# Altium PCB PCB-1234.PcbDoc
Units mm, origin at the board's own origin, x right, y up, seen from the top; angles counter-clockwise.
Board outline 94.46 x 71.98 mm, 2 copper layers (Top Layer, Bottom Layer); 75 components, 59 nets, 250 pads, 0 vias.
Unrouted connection lines stored in the file: 143.
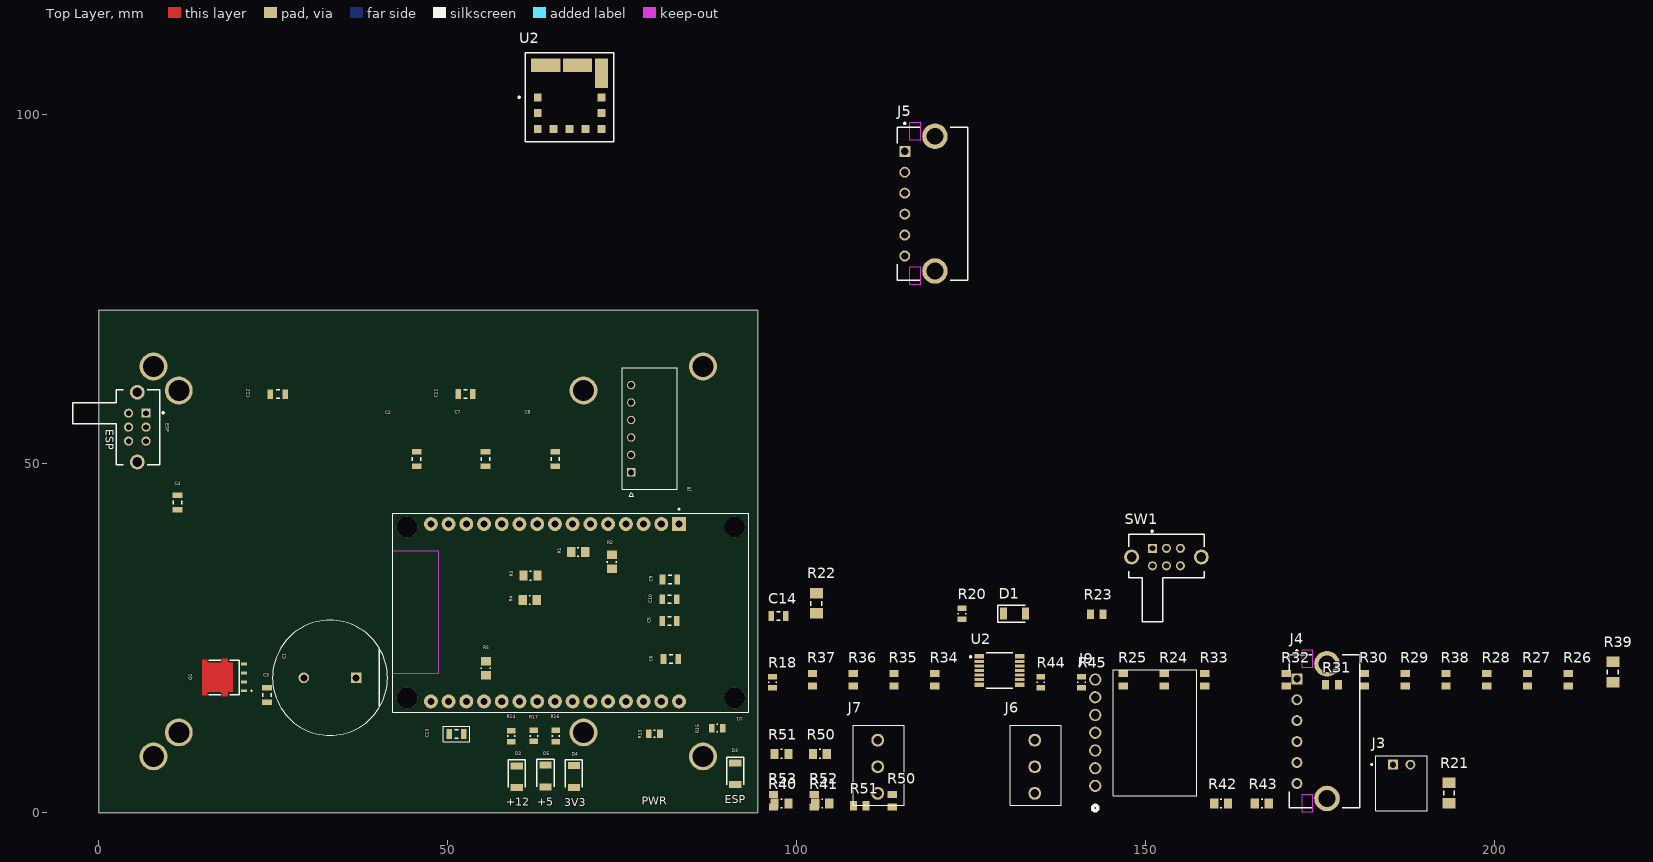
[diagram p0: Top Layer view]
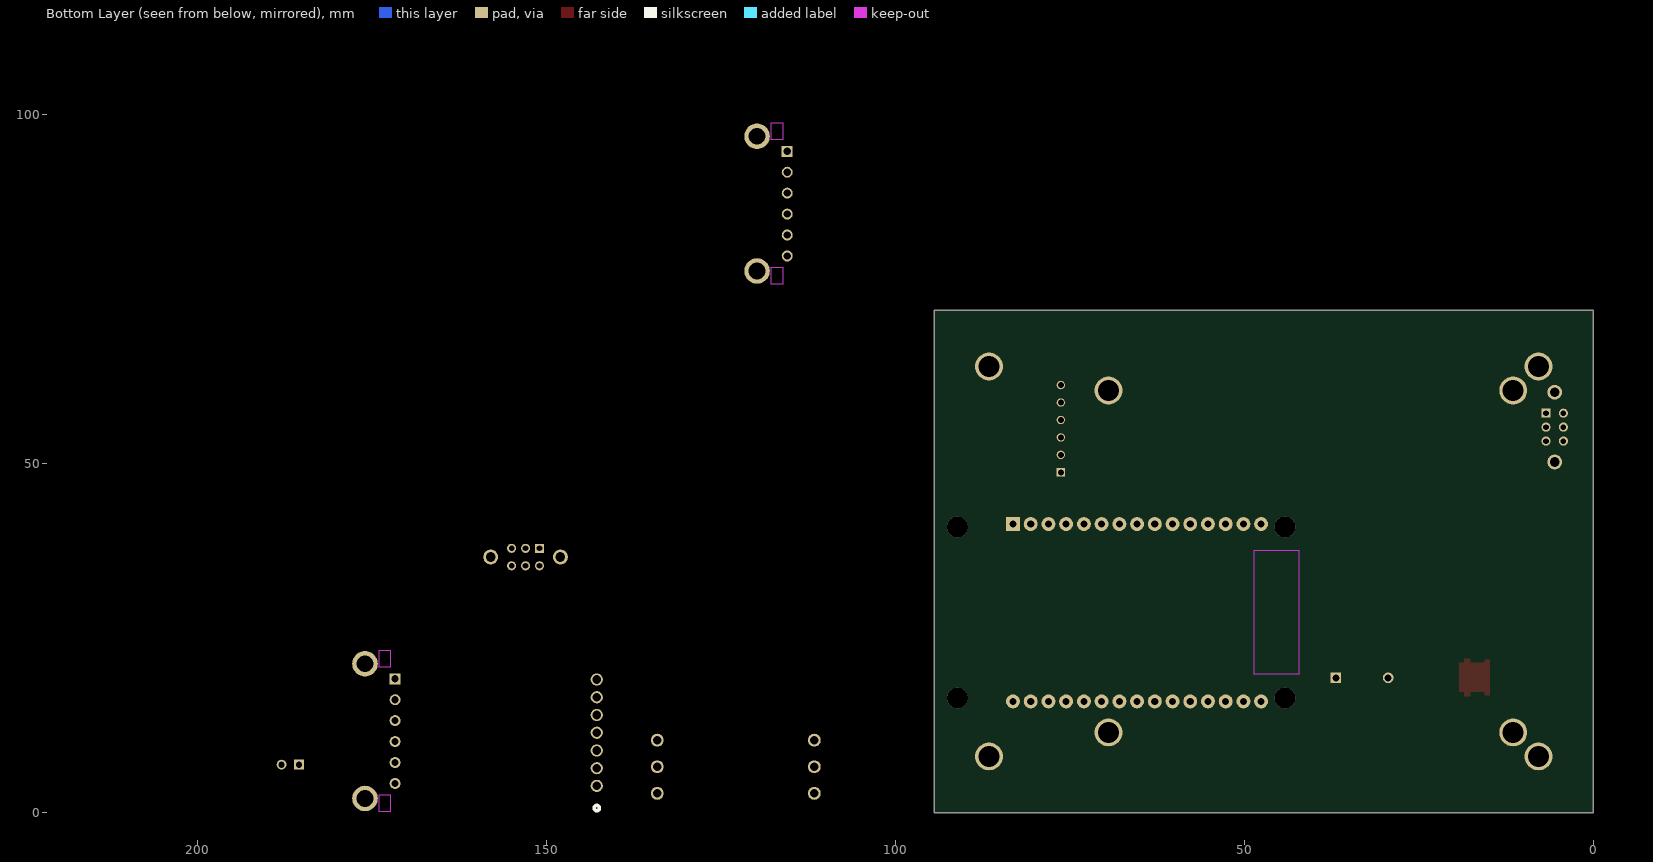
[diagram p1: Bottom Layer view, seen from below]

## Layer stack, top to bottom
Top Solder: solder mask 0.0102, Solder Resist, Dk 3.5
Top Layer: signal copper 0.0356
Dielectric 1: dielectric 0.32, FR-4, Dk 4.8
Bottom Layer: signal copper 0.0356
Bottom Solder: solder mask 0.0102, Solder Resist, Dk 3.5

## Board outline
0.004,0.004 94.459,0.004 94.459,71.98 0.004,71.98

## Design rules (kind name [scope] priority, off if disabled: settings)
Clearance [All] p1: gap=0.254 ignorepadtopadclearanceinfootprint=FALSE
PolygonConnect [All] p1: connectstyle=Relief reliefconductorwidth=0.254 reliefentries=4 polygonreliefangle="90 Angle" airgapwidth=0.254
RoutingVias [All] p1: holewidth=0.711 width=1.27 viastyle="Through Hole" minholewidth=0.711 minwidth=1.27 maxholewidth=0.711 maxwidth=1.27
SolderMaskExpansion [All] p1: expansion=0.102 istentingtop=FALSE
SupplyNets "Schematic Supply Nets_11" [InNet('BAT_POWER')] p1: voltage=0.000
SupplyNets "Schematic Supply Nets_10" [InNet('+5_ESP')] p2: voltage=0.000
SupplyNets "Schematic Supply Nets_9" [InNet('GND')] p3: voltage=0.000
SupplyNets "Schematic Supply Nets_8" [InNet('+5')] p4: voltage=0.000
SupplyNets "Schematic Supply Nets_7" [InNet('3V3')] p5: voltage=0.000
Width [All] p1: maxlimit=0.254 minlimit=0.254 preferedwidth=0.254
30 further rules are at their usual default settings.

## Classes and differential pairs
component class U_power: C9 C10 C13 C14 ESP Q1 R5 R17 R22 R38 R39 R50 R51 SW1 U2
component class U_Level_Shifter: C2 C4 R18 R34 R35 R36 R37 R50 R51 R52 R53 U2
component class main: R44 R45
component class U_microcontroller: C5 C6 R24 R26 R27 R28 R29 R30 R31 R32 R33 U1
component class U_Debug: D1 D2 D3 D4 D5 R13 R14 R15 R16 R20
component class U_headers: C1 C3 C7 C8 C11 C12 J3 J4 J5 J6 J7 J8 J9 R1 R2 R3 R4 R21 R40 R41 R42 R43

## Components (designator, comment, footprint, x,y, rotation, side; value= is the part's Value field where it differs from the comment)
C1 "2200uF 35V Radial" FP-RAD-TH-D_16_0_5-L_25_2-MFG 33.172,19.329 r180 top
C2 "0.1uF 50V 0805" CAPC2012X14N 45.593,50.673 r270 top value=100nF
C3 "1uF 50V 0805" CAPC2012X14N 24.155,16.866 r270 top value=1µF
C4 "0.1uF 50V 0805" CAPC2012X14N 11.303,44.45 r90 top value=100nF
C5 "0.1uF 50V 0805" CAPC2012X14N 81.813,27.457 r0 top value=100nF
C6 "0.1uF 50V 0805" CAPC2012X14N 82.017,22.022 r0 top value=100nF
C7 "0.1uF 50V 0805" CAPC2012X14N 55.474,50.673 r270 top value=100nF
C8 "0.1uF 50V 0805" CAPC2012X14N 65.456,50.673 r270 top value=100nF
C9 "0.1uF 50V 0805" CAPC2012X14N 81.864,33.426 r0 top value=100nF
C10 "0.1uF 50V 0805" CAPC2012X14N 81.839,30.582 r0 top value=100nF
C11 "0.1uF 50V 0805" CAPC2012X14N 52.578,59.995 r180 top value=100nF
C12 "0.1uF 50V 0805" CAPC2012X14N 25.685,59.969 r180 top value=100nF
C13 "10uF 25V 0805" CAPC2012X14N 51.289,11.278 r180 top value=10µF
C14 "47uF 10V 0805" CAPC2012X14N 97.46,28.169 r0 top value=47µF
D1 "KPTR-3216SGC" KPTR-3216SGC-Footprint-1 131.267,28.524 r0 top
D2 "KPTR-3216SGC" KPTR-3216SGC-Footprint-1 59.944,5.156 r270 top
D3 "KPTR-3216SGC" KPTR-3216SGC-Footprint-1 91.237,5.563 r270 top
D4 "KPTR-3216SGC" KPTR-3216SGC-Footprint-1 68.123,5.182 r270 top
D5 "KPTR-3216SGC" KPTR-3216SGC-Footprint-1 64.059,5.258 r270 top
ESP "EG2208A" FP-EG2208A-MFG 2.557,55.245 r270 top
J3 "22-05-7025" MOLEX_22-05-7025 186.741,6.883 r0 top
J4 "43650-0604" FP-43650-0604-MFG 175.692,11.684 r90 top
J5 "43650-0604" FP-43650-0604-MFG 119.507,87.274 r90 top
J6 "CTB0308/3" CTB0308_3-Footprint-1 134.163,2.769 r90 top
J7 "CTB0308/3" CTB0308_3-Footprint-1 111.658,2.769 r90 top
J8 "22057065" MOLEX_22057065 76.327,48.772 r90 top
J9 "22124072" CONN_A-7395-07B_MOL 142.824,3.835 r90 top
Q1 "SIJA54DP-T1-GE3" SIJA54DP-T1-GE3-Footprint-2 17.958,19.38 r90 top
R1 "10k 125mW 1%" RESC2013X60X35ML10T20 68.732,37.363 r180 top
R2 "10k 125mW 1%" RESC2013X60X35ML10T20 73.558,35.941 r90 top
R3 "10k 125mW 1%" RESC2013X60X35ML10T20 61.9,33.96 r180 top
R4 "10k 125mW 1%" RESC2013X60X35ML10T20 61.798,30.48 r180 top
R5 "1.33k 125mW 0.1%" RESC2013X60X35ML10T20 55.499,20.701 r90 top
R13 "560R 125W 1%" RESC2013X60X35LL10T20 79.664,11.303 r180 top
R14 "1.78k 125mW 1%" RESC2013X60X35LL10T20 59.157,10.963 r90 top
R15 "560R 125W 1%" RESC2013X60X35LL10T20 88.671,12.116 r180 top
R16 "220R 125W 1%" RESC2013X60X35LL10T20 65.532,10.989 r270 top
R17 "10k 125mW 1%" RESC2013X60X35LL10T20 62.382,11.013 r90 top
R18 "10k 125mW 1%" RESC2013X60X35LL10T20 96.571,18.694 r90 top
R20 "1.78k 125mW 1%" RESC2013X60X35LL10T20 123.723,28.499 r90 top
R21 "1mR 1W 1% 1206" FP-CSRF1206-IPC_A 193.523,2.819 r90 top value=1m
R22 "1mR 1W 1% 1206" FP-CSRF1206-IPC_A 102.87,29.997 r90 top value=1m
R23 "0R" "Copy of RESC2013X60X35NL10T20" 143.027,28.448 r0 top value=0
R24 "0R" "Copy of RESC2013X60X35NL10T20" 152.705,19.05 r90 top value=0
R25 "0R" "Copy of RESC2013X60X35NL10T20" 146.863,19.05 r90 top value=0
R26 "0R" "Copy of RESC2013X60X35NL10T20" 210.591,19.05 r90 top value=0
R27 "0R" "Copy of RESC2013X60X35NL10T20" 204.775,19.05 r90 top value=0
R28 "0R" "Copy of RESC2013X60X35NL10T20" 198.933,19.05 r90 top value=0
R29 "0R" "Copy of RESC2013X60X35NL10T20" 187.249,19.05 r90 top value=0
R30 "0R" "Copy of RESC2013X60X35NL10T20" 181.407,19.05 r90 top value=0
R31 "0R" "Copy of RESC2013X60X35NL10T20" 176.759,18.339 r0 top value=0
R32 "0R" "Copy of RESC2013X60X35NL10T20" 170.205,19.05 r90 top value=0
R33 "0R" "Copy of RESC2013X60X35NL10T20" 158.521,19.05 r90 top value=0
R34 "0R" "Copy of RESC2013X60X35NL10T20" 119.837,19.05 r90 top value=0
R35 "0R" "Copy of RESC2013X60X35NL10T20" 113.995,19.05 r90 top value=0
R36 "0R" "Copy of RESC2013X60X35NL10T20" 108.153,19.05 r90 top value=0
R37 "0R" "Copy of RESC2013X60X35NL10T20" 102.311,19.05 r90 top value=0
R38 "0R" "Copy of RESC2013X60X35NL10T20" 193.091,19.05 r90 top value=0
R39 "1mR 1W 1% 1206" FP-CSRF1206-IPC_A 216.992,20.168 r90 top value=1m
R40 "10k 125mW 1%" RESC2013X60X35ML10T20 97.866,1.295 r0 top
R41 "10k 125mW 1%" RESC2013X60X35ML10T20 103.708,1.295 r0 top
R42 "10k 125mW 1%" RESC2013X60X35ML10T20 160.858,1.295 r0 top
R43 "10k 125mW 1%" RESC2013X60X35ML10T20 166.7,1.295 r0 top
R44 "3k3 125mW 1%" RESC2013X60X35LL10T20 135.026,18.694 r90 top
R45 "3k3 125mW 1%" RESC2013X60X35LL10T20 140.868,18.694 r90 top
R50 "0R" "Copy of RESC2013X60X35NL10T20" 113.741,1.702 r90 top value=0
R50 "100k 125mW 0.1%" RESC2013X60X35ML10T20 103.378,8.433 r0 top
R51 "0R" "Copy of RESC2013X60X35NL10T20" 109.093,0.991 r0 top value=0
R51 "100k 125mW 0.1%" RESC2013X60X35ML10T20 97.866,8.433 r0 top
R52 "0R" "Copy of RESC2013X60X35NL10T20" 102.565,1.702 r90 top value=0
R53 "0R" "Copy of RESC2013X60X35NL10T20" 96.723,1.702 r90 top value=0
SW1 "EG2208A" FP-EG2208A-MFG 153.035,33.63 r0 top
U1 "ESP32-DEVKIT-V1" MODULE_ESP32_DEVKIT_V1 67.67,28.651 r270 top
U2 "NTS0304EPWJ" FP-SOT402-1-MFG 129.108,20.371 r0 top
U2 "OKL-T/6-W12N-C" FP-OKL-T-6-W12-MFG 67.513,102.514 r0 top

## Footprints (in the part's own frame and the unit in brackets; to place one, negate y for a bottom-side part, rotate by r counter-clockwise, add the part's x,y. Pads: shape width x height; smd on the part's side, far side on the other; paste and mask are expansions set on the pad)
CAPC2012X14N [mm] "Chip Capacitor, 2-Leads, Body 2.00x1.25mm, IPC Medium Density"
  rect 0.8x1.4 smd: 1(-1.05,0) 2(1.05,0)
  silkscreen extent -0.25,-0.6 0.25,0.6, body extent -1.05,-0.67 1.05,0.67, height 1.35
CONN_A-7395-07B_MOL [mil]
  round 69 hole 49: 1(0,0) 2(100,0) 3(200,0) 4(300,0) 5(400,0) 6(500,0) 7(600,0)
  silkscreen extent -140,-573 655,15
"Copy of RESC2013X60X35NL10T20" [mm] "Chip Resistor, 2-Leads, Body 2.1x1.35mm, IPC Medium Density"
  rect 1x1.35 smd: 1(-0.9,0) 2(0.9,0)
  body extent -1.05,-0.68 1.05,0.67, height 0.6
CTB0308_3-Footprint-1 [mm]
  round 1.845 hole 1.23: 1(0,0) 2(3.81,0) 3(7.62,0)
  silkscreen extent -1.71,-3.8 9.72,3.5, body extent -1.71,-3.8 9.72,3.5, height 9.2
FP-43650-0604-MFG [mm]
  rect 1.57x1.57 hole 1.02 paste-2539.97 mask+0: 1(7.5,3.97)
  round 1.57 hole 1.02 paste-2539.97 mask+0: 2(4.5,3.97) 3(1.5,3.97) 4(-1.5,3.97) 5(-4.5,3.97) 6(-7.5,3.97)
  round 3.66 hole 2.41 paste-2539.97 mask+0: 7(-9.65,-0.35) 8(9.65,-0.35)
  Keep-Out Layer region: 9.12,1.7 11.57,1.7 11.57,3.3 9.12,3.3
  Keep-Out Layer region: -11.57,1.7 -9.12,1.7 -9.12,3.3 -11.57,3.3
  silkscreen extent -10.94,-5.07 11.62,5.07, body extent -11.58,-5.18 11.58,5.18, height 0.25
FP-CSRF1206-IPC_A [mm]
  rect 1.505x1.856 smd paste+0 mask+0: 1(-1.451,0) 2(1.451,0)
  silkscreen extent -0.32,-0.77 0.32,0.77, body extent -2.7,-1.43 2.7,1.43, height 0.25
FP-EG2208A-MFG [mm]
  rect 1.3x1.3 hole 0.8 paste-2539.97 mask+0: 1(-2,4.25)
  round 1.3 hole 0.8 paste-2539.97 mask+0: 2(0,4.25) 3(2,4.25) 4(-2,1.75) 5(0,1.75) 6(2,1.75)
  round 2.13 hole 1.38 paste-2539.97 mask+0: 7(-5,3) 8(5,3)
  silkscreen extent -5.39,-6.25 5.39,6.83, body extent -6.16,-6.35 6.16,6.35, height 0.25
FP-OKL-T-6-W12-MFG [mil]
  rect 45x45 smd paste+0 mask+0: 1(-180,0) 5(180,0) 6(180,-180) 7(0,-180) 8(-90,-180) 9(-180,-180) 10(-180,-90) 11(180,-90) 12(90,-180)
  rect 165x75 smd paste+0 mask+0: 2(-135,180) 3(45,180)
  rect 75x165 smd paste+0 mask+0: 4(180,135)
  silkscreen extent -290,-250 250,250, body extent -270,-270 270,270, height 10
FP-RAD-TH-D_16_0_5-L_25_2-MFG [mm]
  rect 1.55x1.55 hole 1 paste-2539.97 mask+0: 1(-3.75,0)
  round 1.55 hole 1 paste-2539.97 mask+0: 2(3.75,0)
  silkscreen extent -8.25,-8.25 8.25,8.25, body extent -8.35,-8.35 8.35,8.35, height 0.25
FP-SOT402-1-MFG [mm]
  rect 1.35x0.6 smd paste+0 mask+0: 1(-2.925,2.05) 7(-2.925,-2.05) 8(2.925,-2.05) 14(2.925,2.05)
  rect 1.35x0.4 smd paste+0 mask+0: 2(-2.925,1.3) 3(-2.925,0.65) 4(-2.925,0) 5(-2.925,-0.65) 6(-2.925,-1.3) 9(2.925,-1.3) 10(2.925,-0.65) 11(2.925,0) 12(2.925,0.65) 13(2.925,1.3)
  silkscreen extent -4.27,-2.55 1.87,2.55, body extent -3.72,-2.9 3.72,2.9, height 0.25
KPTR-3216SGC-Footprint-1 [mm]
  rect 1x1.75 smd: 1(-1.55,0) 2(1.55,0)
  silkscreen extent -2.4,-1.22 1.55,1.22, body extent -1.6,-0.8 1.6,0.8, height 1.06
MODULE_ESP32_DEVKIT_V1 [mm]
  rect 2x2 / inner round 2 / far side rect 2x2 hole 1.02: 1(-12.7,15.515)
  round 2 hole 1.02: 2(-12.7,12.975) 3(-12.7,10.435) 4(-12.7,7.895) 5(-12.7,5.355) 6(-12.7,2.815) 7(-12.7,0.275) 8(-12.7,-2.265) 9(-12.7,-4.805) 10(-12.7,-7.345) 11(-12.7,-9.885) 12(-12.7,-12.425) 13(-12.7,-14.965) 14(-12.7,-17.505) 15(-12.7,-20.045) 16(12.7,-20.045) 17(12.7,-17.505) 18(12.7,-14.965) 19(12.7,-12.425) 20(12.7,-9.885) 21(12.7,-7.345) 22(12.7,-4.805) 23(12.7,-2.265) 24(12.7,0.275) 25(12.7,2.815) 26(12.7,5.355) 27(12.7,7.895) 28(12.7,10.435) 29(12.7,12.975) 30(12.7,15.515)
  round 3 hole 3 unplated: ""(-12.28,23.475) ""(-12.28,-23.475) ""(12.23,23.475) ""(12.23,-23.475)
  Keep-Out Layer region: 8.78,-25.475 -8.91,-25.475 -8.91,-18.985 8.78,-18.985
  Keep-Out Layer region: 8.78,-25.475 -8.91,-25.475 -8.91,-18.985 8.78,-18.985
  silkscreen extent -14.95,-25.48 14.23,25.48, body extent -14.1,-25.9 14.1,26.55, height 7.05
MOLEX_22-05-7025 [mm]
  rect 1.408x1.408 / inner round 1.408 / far side rect 1.408x1.408 hole 0.9: 1(-1.25,0)
  round 1.408 hole 0.9: 2(1.25,0)
  silkscreen extent -4.4,-6.6 3.7,1.3
MOLEX_22057065 [mm]
  rect 1.2x1.2 / inner round 1.2 / far side rect 1.2x1.2 hole 0.85 mask+0.076: 1(0,0)
  round 1.2 hole 0.85 mask+0.076: 2(2.5,0) 3(5,0) 4(7.5,0) 5(10,0) 6(12.5,0)
  silkscreen extent -3.4,-6.6 14.95,1.3
RESC2013X60X35LL10T20 [mm] "Chip Resistor, 2-Leads, Body 2.00x1.25mm, IPC High Density"
  rect 0.8x1.25 smd: 1(-0.8,0) 2(0.8,0)
  silkscreen extent -0.1,-0.53 0.1,0.53, body extent -1.05,-0.67 1.05,0.67, height 0.6
RESC2013X60X35ML10T20 [mm] "Chip Resistor, 2-Leads, Body 2.1x1.35mm, IPC Low Density"
  rect 1.2x1.45 smd: 1(-1,0) 2(1,0)
  silkscreen extent -0.1,-0.63 0.1,0.63, body extent -1.05,-0.68 1.05,0.67, height 0.6
SIJA54DP-T1-GE3-Footprint-2 [mm]
  rect 0.41x0.82 smd: 1(-1.905,-2.895) 2(-0.635,-2.895) 3(0.635,-2.895) 4(1.905,-2.895)
  round 0.025 smd: 5-6-7-8(-0.001,1.092)
  Top Layer region: -2.68,-0.535 -2.08,-0.535 -2.08,-1.25 2.077,-1.25 2.077,-0.535 2.675,-0.535 2.675,0.33 2.077,0.33 2.077,2.38 2.55,2.38 2.55,3.099 -2.55,3.099 -2.55,2.385 -2.08,2.385 -2.08,0.33 -2.68,0.33
  silkscreen extent -2.45,-4 2.45,2.18, body extent -2.57,-3.08 2.57,3.08, height 1.27

## Part data
C1: library part CMP-05427-000859-1, "Aluminum Electrolytic Capacitors (Radial Lead Type) 2200uF ±20% 35V"
C2 C4 C5 C6 C7 C8 C9 C10 C11 C12: library part CMP-40-005-00117-1, "Cap, SMD, 0.1uF, 50V, 10%, 0805, X7R", CapacitorType=Ceramic, Manufacturer=Samsung, ManufacturerPartNumber=CL21B104KBCWPNC, Package=0805, Tolerance=10%, VoltageRating=50V, ComponentLinkDescription=Datasheet, ComponentLinkURL=https://octopart.com/part/samsung-electro-mechanics/CL21B104KBCWPNC, DielectricType=Ceramic, MountingType=SMD
C3: library part CMP-40-005-00008-4, "Cap, SMD, 1uF, 50V, 10%, 0805, X7R", CapacitorType=Ceramic, DielectricType=X7R, Manufacturer="Samsung Electro Mechanics", ManufacturerPartNumber=CL21B105KBFNNN, Package=0805, Tolerance=10%, VoltageRating=50V, ComponentLinkDescription=Datasheet, ComponentLinkURL=http://weblib.samsungsem.com/mlcc/mlcc-ec-data-sheet.do?partNumber=CL21B105KBFNNN, MountingType=SMD
C13: library part CMP-40-005-00031-7, "Cap, SMD, 10uF, 25V, 10%, 0805, X5R", CapacitorType=Ceramic, Case/Package=0805, Manufacturer=Murata, ManufacturerPartNumber=GRM21BR61E106, Maximum Operating Temperature=85°C, Minimum Operating Temperature=-55°C, Package Shape=Rectangular, Package Style=SMTMeter, Rated DC Voltage (URdc)=25V, Temperature Characteristics Code=X5R, Tolerance=10%, ComponentLinkDescription=Datasheet, ComponentLinkURL=https://datasheet.ciiva.com/pdfs/VipMasterIC/IC/MURE/MURE-S-A0008911298/MURE-S-A0008911412-1.pdf?src-supplier=IHS+Markit, DielectricType=Ceramic, Height=1.25mm, JESD-609 Code=e3, Length=2mm, Mounting Technology="Surface Mount", MountingType=SMD, Multilayer=Yes, Package=0805, Pins=2, Reach SVHC Compliant=Yes, RoHS Compliant=Yes, Terminal Finish=Nickel, Termination=Wraparound, Tolerance  (fill in as +-)=10%, Tolerance (fill in as +-)=10%, VoltageRating=25V, Width=1.25mm
C14: library part CMP-40-005-00019-4, "Cap, SMD, 47uF, 10V, 20%, 0805, X5R", CapacitorType=Ceramic, DielectricType=X5R, Manufacturer=Murata, ManufacturerPartNumber=GRM21BR61A476ME15L, Package=0805, Tolerance=20%, VoltageRating=10V, ComponentLinkDescription=Datasheet, ComponentLinkURL=https://www.murata.com/en-global/products/productdetail?partno=GRM21BR61A476ME15%23, MountingType=SMD
D1 D2 D3 D4 D5: library part CMP-40-060-00012-7, "Single Color LED, Super Bright Green, Water Clear, 1.6mm", Color=Green, Colour="Super Bright Green", Forward Current=25mA, Forward Voltage=2.5V, Manufacturer=Kingbright, Max Operating Temperature=85°C, Min Operating Temperature=-40°C, Package=1206, Reverse Voltage-Max=5V, Channels=1, Color@wavelength=Green, ComponentLinkDescription=Datasheet, ComponentLinkURL=https://datasheet.ciiva.com/pdfs/VipMasterIC/IC/KNGB/KNGBS03251/KNGBS03251-1.pdf?src-supplier=IHS+Markit, ForwardVoltage=2.5V, Lens Style="WATER CLEAR", Luminous Intensity-Min=120cd, Luminous Intensity-Nom=15mcd, ManufacturerPartNumber=KPTR-3216SGC, Maximum Operating Temperature=85°C, Minimum Operating Temperature=-40°C, Mounting Technology="Surface Mount", MountingType=SMD, Optoelectronic Device Type="SINGLE COLOR LED", Overall Height=1.05mm, Packaging="Tape and Reel", Pins=2, Reach SVHC Compliant=Yes, RoHS Compliant=Yes, Shape=Rectangular, Size=1.6mm, Terminal Pitch=3.6mm, Viewing Angle=120°
ESP SW1: library part CMP-17877-000003-1, "SWITCH SLIDE DPDT 200MA 30V", Contact Current Rating=200mA, Max Operating Temperature=70°C, Min Operating Temperature=-25°C, Operating Force=200gf, Package Quantity=800, Voltage Rating (AC)=30V, Actuator Length=6mm, Actuator Type=Standard, Contact Material="Copper Alloy", Contact Plating=Silver, Current Rating=200mA, Electrical Life=10000Cycles, Illumination Type=Non-Illuminated, Lead Free="Lead Free", Mount="Through Hole", Number of Positions=2, Orientation="Right Angle", Packaging=Bulk, REACH SVHC="No SVHC", RoHS Compliant=Yes, Series=EG, Switch Function=On-On, Switch Travel=2mm, Termination="PC Pin", Throw Configuration=DPDT, Voltage Rating (DC)=30V
J3: "Header 2.5mm SPOX, WTB, RA, F/lock, 2w", Package=None, Check_prices=https://www.snapeda.com/parts/22-05-7025/Molex/view-part/?ref=eda, MF=Molex, MP=22-05-7025, SnapEDA_Link=https://www.snapeda.com/parts/22-05-7025/Molex/view-part/?ref=snap
J4 J5: library part CMP-00257-00298091-1, "43650-0604 Conn Power HDR 6 POS 3mm Solder RA Thru-Hole 6 Terminal 1 Port Micro-Fit 3.0™ Frame", Color=Black, Current Rating=5A, Manufacturer Lifecycle Status=ACTIVE, Max Operating Temperature=105°C, Min Operating Temperature=-40°C, Voltage Rating=600V, Connector Type="Male Pin", Contact Gender=Male, Contact Material=Brass, Contact Plating=Gold, Country of Origin=US, Fastening Type=Ramp, Gender=Male, Glow Wire Compliant=Compliant, Halogen Free="Low Halogen", Height=4.37mm, Housing Color=Black, Housing Material=Plastic, Lead Free="Contains Lead", Length=21.6mm, Lifecycle Status=Production, Mount="Through Hole", NexarPartId=298091, Number of Circuits=6, Number of Contacts=6, Number of Pins=6, Number of Positions=6, Number of Rows=1, Orientation="Right Angle", Pitch=3mm, Plating=Tin, RoHS=Compliant, Schedule B=8536694040, Termination=Solder, Width=9.9mm
J6 J7: library part CMP-40-050-00115-1, "Barrier Strip Terminal Block, 3 position", Current Rating=10A, Manufacturer=CAMDENBOSS, Manufacturer Series=CTB0308, ManufacturerPartNumber=CTB0308_3, Maximum Operating Temperature=110°C, Minimum Operating Temperature=0°C, VoltageRating=130V, ComponentLinkDescription=Datasheet, ComponentLinkURL=https://datasheet.ciiva.com/pdfs/VipMasterIC/IC/CAME/CAMES00005/CAMES00005-1.pdf?src-supplier=IHS+Markit, ConnectorType="Terminal Block", Jack/Receptacle=Receptacle, MountingType=TH, Number of Rows=1, Number of Ways=3, REACHStatement=No, RoHS3Certificate=Yes, RoHS3Compliant=Yes, Terminal and Terminal Block Type="BARRIER STRIP TERMINAL BLOCK"
J8: "Conn Shrouded Header (4 Sides) HDR 6 POS 2.5mm Solder RA Side Entry Thru-Hole SPOXâ„¢ Bag", Package=None, Check_prices=https://www.snapeda.com/parts/22057065/Molex/view-part/?ref=eda, MF=Molex, MP=22057065, SnapEDA_Link=https://www.snapeda.com/parts/22057065/Molex/view-part/?ref=snap
J9: Package=None, Availability=Unavailable, MP=22124072, Price=None
Q1: library part CMP-40-040-00025-2, "Transistor, SMD, MOSFET, N-Chan, 40V", Breakdown Voltage=40V, CurrentRating=60A, Manufacturer=Vishay, Maximum Operating Temperature=150°C, Minimum Operating Temperature=-55°C, Package="PowerPak SO-8", PowerRating=36.7W, ComponentLinkDescription=Datasheet, ComponentLinkURL=https://datasheet.ciiva.com/pdfs/VipMasterIC/IC/VISH/VISH-S-A0002290573/VISH-S-A0002281459-1.pdf?src-supplier=IHS+Markit, ManufacturerPartNumber=SIJA54DP-T1-GE3, MountingType=SMD, RoHS3Compliant=Yes, TransistorType="MOSFET, N-Chan"
R1 R2 R3 R4 R17 R18 R40 R41 R42 R43: library part CMP-40-025-00226-1, "Res, SMD, 10k, 125mW, 1%, ±200ppm, 0805", Case/Package=0805, Manufacturer=Panasonic, ManufacturerPartNumber=ERJ-6GEYJ103V, Max Operating Temperature=155°C, Min Operating Temperature=-55°C, Package Height=0.6mm, Power Rating=125mW, Resistance=10k, Resistor Type=Fixed, Temperature Coefficient (ppm/cel)=±200ppm, Tolerance=5%, Voltage Rating=150V, ComponentLinkDescription=Datasheet, ComponentLinkURL=https://octopart.com/erj-6geyj103v-panasonic-55422885, Composition="Thick Film", Contact Plating=Tin, Mount=SMD, Number of Pins=2, Reach SVHC Compliant=Unaffected, RoHS3Certificate=https://download.siliconexpert.com/pdfs2/2024/6/2/9/59/48/925943/pns_/manual/erj6enf2700v_rohs.pdf, RoHS3Compliant="Yes (with exeption)"
R5 R50 R51: library part CMP-40-025-00231-1, "Res, SMD, 100k, 125mW, 0.1%, ±25ppm, 0805", Case/Package=0805, Manufacturer=Panasonic, ManufacturerPartNumber=ERA-6AEB104V, Max Operating Temperature=155°C, Min Operating Temperature=-55°C, Package Height=0.6, Power Rating=125mW, Resistance=100k, Resistor Type=Fixed, Temperature Coefficient (ppm/cel)=±25ppm, Tolerance=0.1%, Voltage Rating=100V, ComponentLinkDescription=Datasheet, ComponentLinkURL=https://octopart.com/era-6aeb104v-panasonic-1193246, Composition="Thin Film", Contact Plating=Tin, Mount=SMD, Number of Pins=2, Reach SVHC Compliant=Unaffected, RoHS3Certificate=https://download.siliconexpert.com/pdfs2/2024/6/2/9/59/48/925943/pns_/manual/erj6enf2700v_rohs.pdf, RoHS3Compliant="Yes (with excemption)"
R13 R15 R16: library part CMP-40-025-00230-1, "Res, SMD, 560R, 125mW, 1%, ±100ppm, 0805", Case/Package=0805, Manufacturer=Panasonic, ManufacturerPartNumber=ERJ-6ENF5600V, Max Operating Temperature=155°C, Min Operating Temperature=-55°C, Package Height=0.6, Power Rating=125mW, Resistance=560, Resistor Type=Fixed, Temperature Coefficient (ppm/cel)=±100ppm, Tolerance=1%, Voltage Rating=150V, ComponentLinkDescription=Datasheet, ComponentLinkURL=https://octopart.com/erj-6enf5600v-panasonic-55477609, Composition="Thick Film", Contact Plating=Tin, Mount=SMD, Number of Pins=2, Reach SVHC Compliant=Unaffected, RoHS3Certificate=https://download.siliconexpert.com/pdfs2/2024/6/2/9/59/48/925943/pns_/manual/erj6enf2700v_rohs.pdf, RoHS3Compliant="Yes (with excemption)"
R14 R20: library part CMP-40-025-00237-1, "Res, SMD, 1.78k, 125mW, 1%, ±100ppm, 0805", Case/Package=0805, Manufacturer=Panasonic, ManufacturerPartNumber=ERJ-6ENF1781V, Max Operating Temperature=155°C, Min Operating Temperature=-55°C, Package Height=0.6mm, Power Rating=125mW, Resistance=1.78k, Resistor Type=Fixed, Temperature Coefficient (ppm/cel)=±100ppm, Tolerance=1%, Voltage Rating=150V, ComponentLinkDescription=Datasheet, ComponentLinkURL=https://octopart.com/part/panasonic/ERJ-6ENF1781V, Composition="Thick Film", Contact Plating=Tin, Mount=SMD, Number of Pins=2, Reach SVHC Compliant=Unaffected, RoHS3Compliant="Yes (with excemption)"
R21 R22 R39: library part CMP-40-025-00210-2, "Res, SMD, 1mR, 1W, 0.0316V, 1% +/-Tol, 50ppm/Cel, 1206", Manufacturer=Bourns, ManufacturerPartNumber=CRF1206-FZ-R001ELF, Package=1206, PowerRating=1W, Tolerance=1%, ComponentLinkDescription=Datasheet, ComponentLinkURL=https://datasheet.octopart.com/CRF1206-FZ-R001ELF-Bourns-datasheet-176301116.pdf?src-supplier=Electro+Sonic, Mount=SMD, MountingType=SMD
R23 R24 R25 R26 R27 R28 R29 R30 R31 R32 R33 R34 R35 R36 R37 R38 R50 R51 R52 R53: library part CMP-40-025-00156-5, "Res, SMD, 0R, 0.125W, 1%, 0805", Case/Package=0805, Manufacturer=Yageo, ManufacturerPartNumber=RC0805JR-070RL, Max Operating Temperature=155°C, Min Operating Temperature=-55°C, Package Height=0.5mm, Package Length=2mm, Package Shape=Rectangular, Package Style=SMTMeter, Package Width=1.25mm, Power=125mW, Rated Temperature=70°C, Resistor Type="FIXED RESISTOR", Tolerance=1%, ComponentLinkDescription=Datasheet, ComponentLinkURL=https://datasheet.ciiva.com/pdfs/VipMasterIC/IC/YAGO/YAGO-S-A0008145938/YAGO-S-A0008145938-1.pdf?src-supplier=IHS+Markit, Construction=Chip, JESD-609 Code=e3, Maximum Operating Temperature=155°C, Minimum Operating Temperature=-55°C, Mounting Technology="Surface Mount", MountingType=SMD, Package=0805, Packaging="Tape and Reel", Pins=2, PowerRating=125mW, Reach SVHC Compliant=Yes, RoHS Compliant=Yes, Technology="METAL GLAZE/THICK FILM", Terminal Finish=Nickel, Termination=Wraparound
R44 R45: library part CMP-40-025-00227-1, "Res, SMD, 3k3, 125mW, 1%, ±100ppm, 0805", Case/Package=0805, Manufacturer=Panasonic, ManufacturerPartNumber=ERJ-6ENF3301V, Max Operating Temperature=155°C, Min Operating Temperature=-55°C, Package Height=0.6, Power Rating=125mW, Resistance=3.3k, Resistor Type=Fixed, Temperature Coefficient (ppm/cel)=±100ppm, Tolerance=1%, Voltage Rating=150V, ComponentLinkDescription=Datasheet, ComponentLinkURL=https://octopart.com/erj-6enf3301v-panasonic-55422619, Composition="Thick Film", Contact Plating=Tin, Mount=SMD, Number of Pins=2, Reach SVHC Compliant=Unaffected, RoHS3Certificate=https://download.siliconexpert.com/pdfs2/2024/6/2/9/59/48/925943/pns_/manual/erj6enf2700v_rohs.pdf, RoHS3Compliant="Yes (with excemption)"
U1: "Dual core, Wi-Fi: 2.4 GHz up to 150 Mbits/s,BLE (Bluetooth Low Energy) and legacy Bluetooth, 32 bits, Up to 240 MHz", Package=None, Check_prices=https://www.snapeda.com/parts/ESP32-DEVKIT-V1/Do+it/view-part/?ref=eda, MF="Do it", MP=ESP32-DEVKIT-V1, SnapEDA_Link=https://www.snapeda.com/parts/ESP32-DEVKIT-V1/Do+it/view-part/?ref=snap
U2: library part CMP-10125-000002-1, "4-BIT VOLTAGE TRANSLATOR 14TSSOP", Ambient Temperature Range High=+125°C, Ambient Temperature Range Low=-40°C, Manufacturer=NXP, Max Junction Temp=+85°C, Max Supply Voltage=5.5V, Min Supply Voltage=0.95V, Nominal Supply Current=2.2-18uA, Package=SOT402-1, Temperature="-40°C to +85°C", Automotive=No, Category=IC, ComponentLink2Description=Datasheet, ComponentLink2URL=https://www.nxp.com/docs/en/data-sheet/NTS0304E.pdf, Data Rate=20Mbits/s, Device Class L1="Integrated Circuits (ICs)", Device Class L2="Logic ICs", Device Class L3="Voltage Level Shifters", Digikey Description="4-BIT VOLTAGE TRANSLATOR 14TSSOP", Footprint Url=https://www.nxp.com/docs/en/package-information/SOT402-1.pdf, Height=1.1mm, Lead Free=Yes, Logic Function Desc="Translating Transceiver", Manufacturer Part Number=NTS0304EPWJ, Number of Circuits=4, Number Of Inputs=4, Number of Outputs=4, Octopart=https://octopart.com/nts0304epwj-nxp+semiconductors-97865291, Propagation Delay=5.3ns, RoHS=TRUE, Standoff Height=0.05mm, Temperature Range High=+85°C, Temperature Range Low=-40°C, V A Max=4.6V, V A Min=-0.5V, V B Max=6.5V, V B Min=-0.5V
U2: library part CMP-20596-000066-1, "DC DC CONVERTER 0.591-5.5V 30W", Case/Package=LGA, Current - Output 1=6A, Max Input Voltage=14V, Max Operating Temperature=85°C, Max Output Power=30W, Max Output Voltage=5.5V, Min Input Voltage=4.5V, Min Operating Temperature=-40°C, Min Output Voltage=591mV, Nominal Input Voltage=12V, Package Quantity=1, Depth=12.19mm, Efficiency=93%, Features=UVLO, Height=7.2mm, Isolation=Non-Isolated, Lead Free="Lead Free", Length=0.48inch, Max Input Voltage (DC)=14V, Max Output Current=6A, Max Power Dissipation=30W, Min Input Voltage (DC)=4.5V, Mount="Surface Mount", Nominal Output Voltage=5.5V, Number of Outputs=1, Number of Pins=12, Operating Supply Voltage=12V, Output Current=6A, Output Power=30W, Output Voltage=5.5V, Packaging="Tape and Reel", Power Rating=30W, REACH SVHC="No SVHC", RoHS Compliant=Yes, Series="Okami™ OKL-T/6-W12", Voltage - Output 1=5.5V, Width=12.19mm

## Free pads (board coordinates)
  round 4 hole 3: 6(7.884,8.064) 7(86.624,8.064) 8(86.624,63.944) 9(7.884,63.944) 10(11.504,60.504) 11(69.507,60.504) 12(11.504,11.504) 13(69.507,11.504)

## Nets (pads, with @x,y where several pads share a name; then routed paths per layer and width w, separated by ;. In a path a pad name is that pad's centre, name@x,y a point inside that pad or via, vN(x,y) a via of type N, cw(c..) or ccw(c..) an arc to the next point about the centre after c; other vN are vias at no path point)
3V3: C2.2 C5.2 C7.2 J9.1 J9.4 J9.5 R16.2 R18.1 R44.2 R45.2 U1.1 U2.1@126.183,22.421
+5: C4.2 C11.2 C12.2 ESP.2 ESP.5 J3.1 J4.4 J5.4 R15.2 R22.1 U2.4@72.085,105.943 U2.5@72.085,102.514 U2.14
+5_ESP: C6.2 R39.2 U1.30
BAT_POWER: C9.2 J6.3 R14.2 R20.2 R21.1 SW1.2 U2.2@64.084,107.086
ESP_PWR_SIGNAL: R13.2
GND: C1.1 C2.1 C3.2 C4.1 C5.1 C6.1 C7.1 C8.1 C9.1 C10.1 C11.1 C12.1 C13.2 C14.2 D2.2 D3.2 D4.2 D5.2 ESP.7 ESP.8 J3.2 J4.3 J4.7 J4.8 J5.3 J5.7 J5.8 J8.5 J8.6 J9.7 Q1.1 Q1.2 Q1.3 R1.1 R2.1 R3.1 R4.1 R5.1 R17.1 R40.1 R41.1 R42.1 R43.1 SW1.5 SW1.7 SW1.8 U1.2 U1.29 U2.1@62.941,102.514 U2.3@68.656,107.086 U2.7
IMU_INT: J9.6
M1_DIRECTION: J8.1 R1.2
M1_ENC_A_3V3: R33.2 R50.1@113.741,0.802
M1_ENC_A_5V: J4.5 R34.2 R42.2
M1_ENC_B_3V3: R32.2 R51.1@108.193,0.991
M1_ENC_B_5V: J4.6 R35.2 R43.2
M1_NEG: J4.2 J6.1
M1_POS: J4.1 J6.2
M1_PWM: J8.2 R2.2
M2_DIRECTION: J8.3 R3.2
M2_ENC_A_3V3: R31.2 R52.1
M2_ENC_A_5V: J5.5 R36.2 R40.2
M2_ENC_B_3V3: R30.2 R53.1
M2_ENC_B_5V: J5.6 R37.2 R41.2
M2_NEG: J5.2 J7.3
M2_POS: J5.1 J7.2
M2_PWM: J8.4 R4.2
MOTOR_PWR_RETURN: J7.1
NetC1_2: C1.2 C3.1 C8.2 R21.2
NetC10_2: C10.2 C13.1 C14.1 R22.2
NetD1_1: D1.1 R20.1
NetD2_1: D2.1 R14.1
NetD3_1: D3.1 R15.1
NetD4_1: D4.1 R16.1
NetD5_1: D5.1 R13.1
NetESP_3: ESP.3 R39.1
NetESP_6: ESP.6 R17.2 R38.1
NetQ1_4: Q1.4 R50.2@104.378,8.433 R51.2@98.866,8.433
NetR5_2: R5.2 U2.6@72.085,97.942
NetR18_2: R18.2 U2.8@132.033,18.321
NetR23_2: R23.2 U1.9
NetR24_2: R24.2 U1.10
NetR25_2: R25.2 U1.11
NetR26_1: R26.1 U1.6
NetR27_1: R27.1 U1.7
NetR28_1: R28.1 U1.14
NetR29_1: R29.1 U1.25
NetR30_1: R30.1 U1.21
NetR31_1: R31.1 U1.22
NetR32_1: R32.1 U1.20
NetR33_1: R33.1 U1.19
NetR34_1: R34.1 U2.13
NetR35_1: R35.1 U2.12@132.033,21.021
NetR36_1: R36.1 U2.11@132.033,20.371
NetR37_1: R37.1 U2.10@132.033,19.721
NetR50_1: R50.1@102.378,8.433 SW1.3
NetR50_2: R50.2@113.741,2.602 U2.2@126.183,21.671
NetR51_1: R51.1@96.866,8.433 SW1.4
NetR51_2: R51.2@109.993,0.991 U2.3@126.183,21.021
NetR52_2: R52.2 U2.4@126.183,20.371
NetR53_2: R53.2 U2.5@126.183,19.721
SCL: R28.2 R45.1
SDA: R25.1 R44.1
pads on no net: D1.2 ESP.1 ESP.4 J9.2 J9.3 Q1.5-6-7-8 R23.1 R24.1 R26.2 R27.2 R29.2 R38.2 SW1.1 SW1.6 U1. U1.3 U1.4 U1.5 U1.8 U1.12 U1.13 U1.15 U1.16 U1.17 U1.18 U1.23 U1.24 U1.26 U1.27 U1.28 U2.6@126.183,19.071 U2.8@65.227,97.942 U2.9 U2.10@62.941,100.228 U2.11@72.085,100.228 U2.12@69.799,97.942

## Silkscreen, mask and mechanical layers (free items; w line width, h text height)
Top Overlay:
  text "ESP" at 0.58,54.915 h2 r270
  text "ESP" at 89.713,0.911 h2
  text "PWR" at 77.876,0.711 h2
  text "+12" at 58.42,0.559 h2
  text "+5" at 62.89,0.53 h2
  text "3V3" at 66.726,0.505 h2